# Altium PCB DRS4-PCB.PcbDoc (part 14 of 15)
Units mil, origin at the board's own origin, x right, y up, seen from the top; angles counter-clockwise.
Board outline 12350 x 7411.06 mil, 12 copper layers (Top Layer, Ground Layer 2, Signal Layer 3, Signal Layer 4, Ground Layer 5, Power Layer 6, Ground Layer 7, Ground Layer 8, Power Layer 9, Power Layer 10, Ground Layer 11, Bottom Layer), stack 61.6 mil thick; 1264 components, 1069 nets, 3958 pads, 2329 vias.
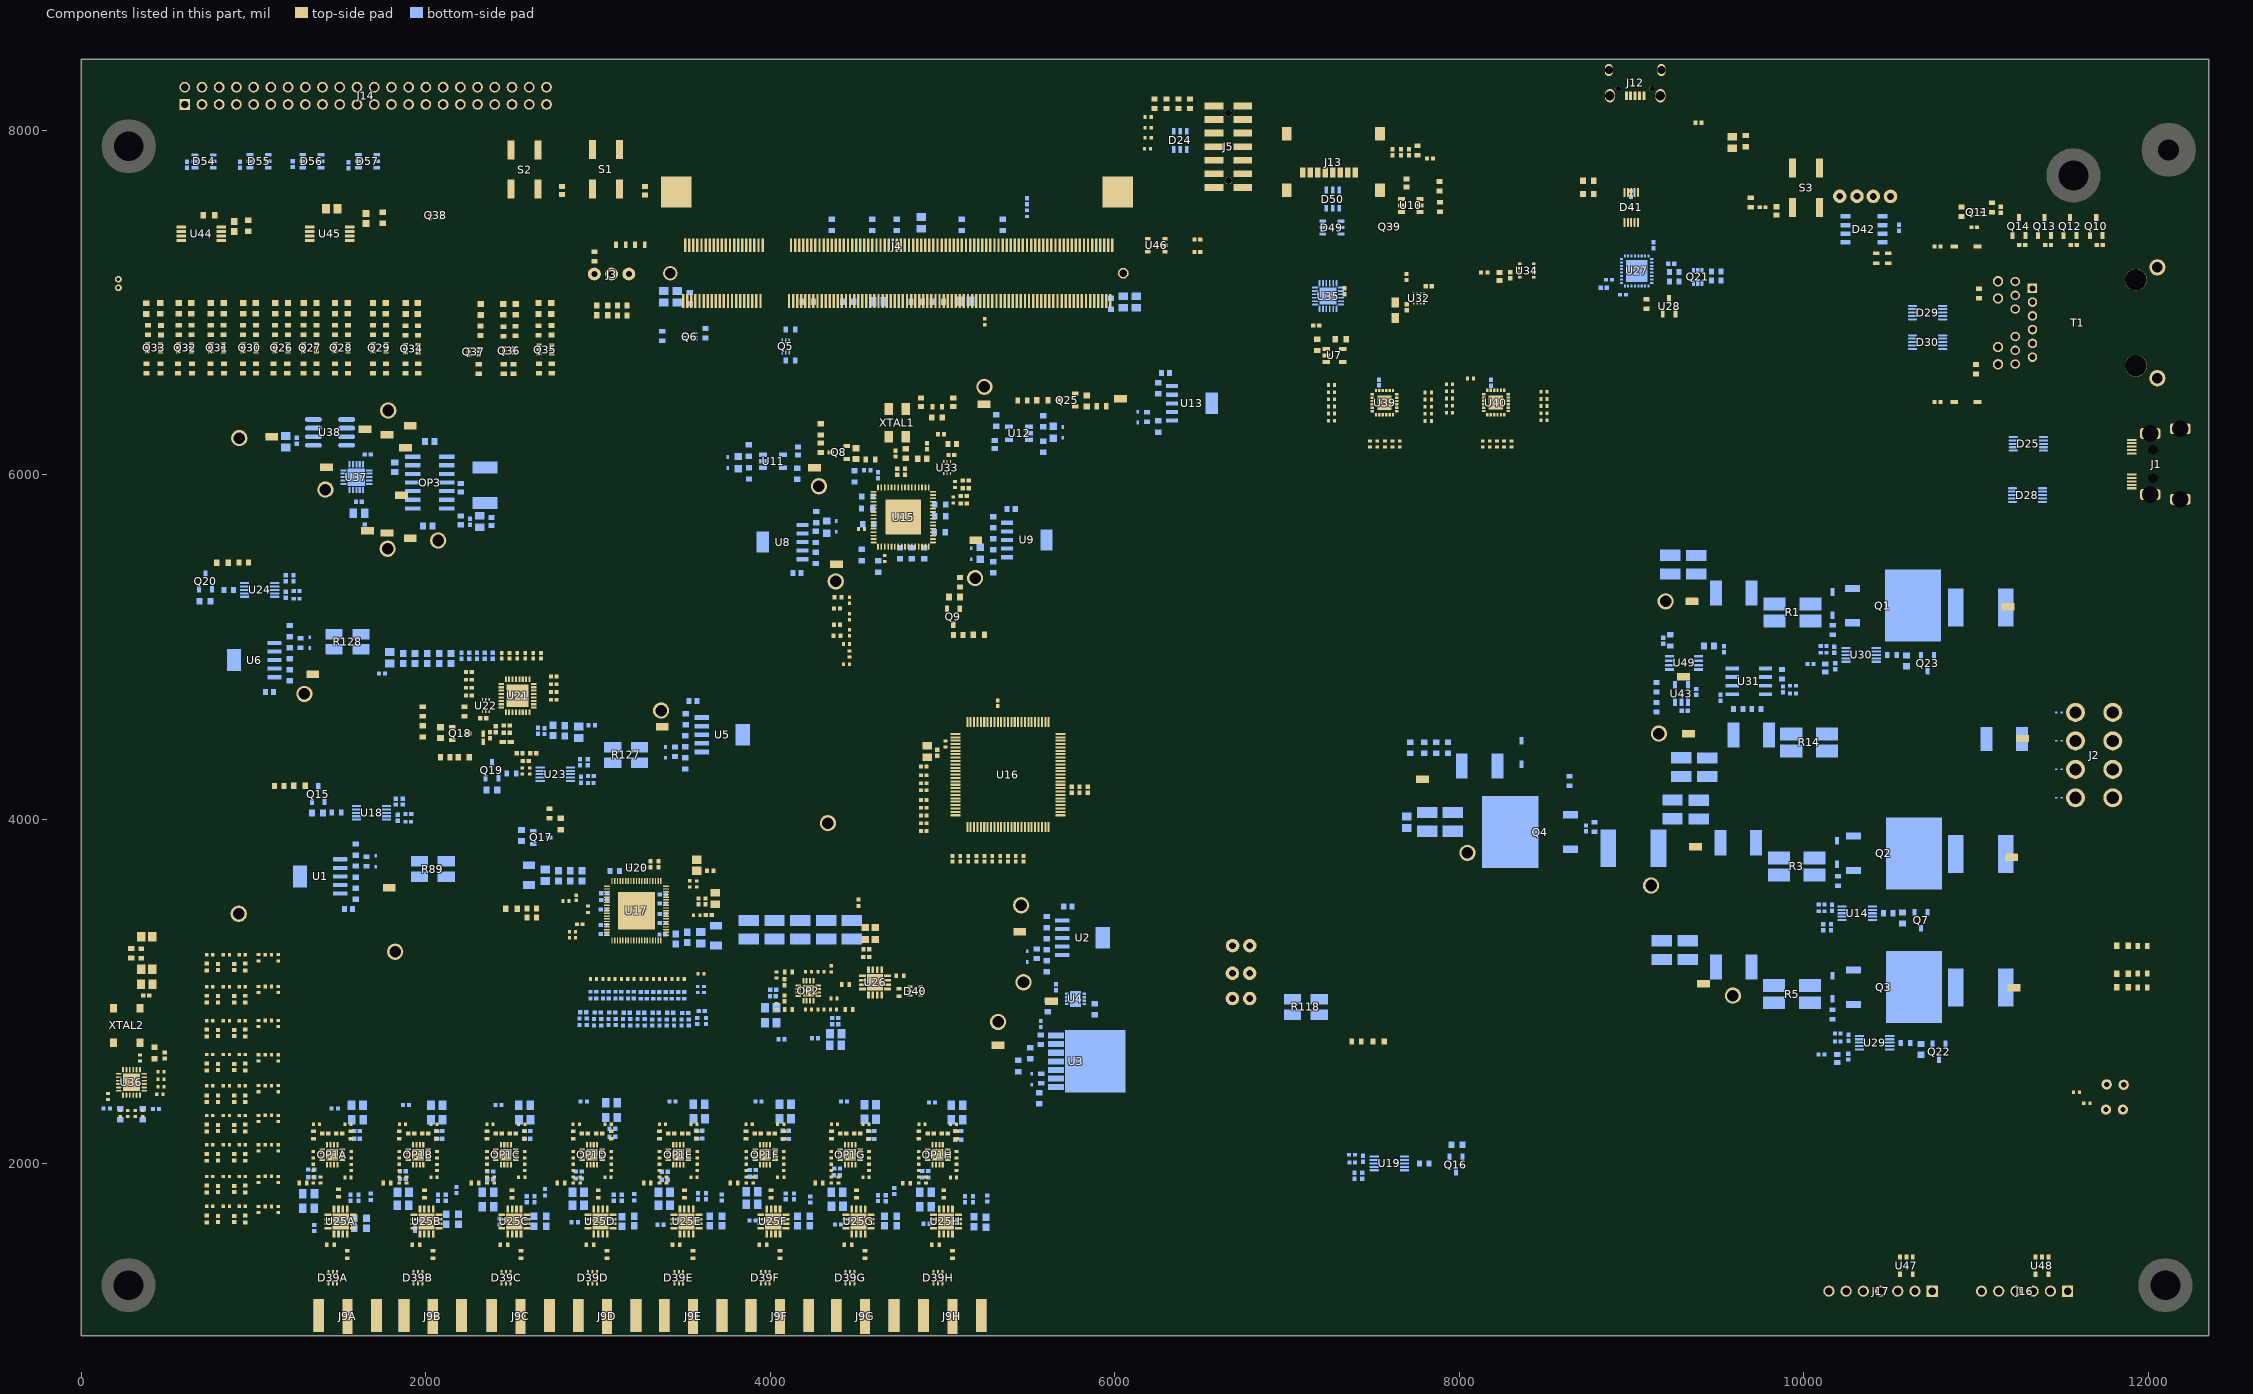
[diagram p24: the components of this part, seen from the top]

## Polygon pours and split planes (outlines as drawn) (continued)
TRB_GND on Bottom Layer "Bottom Layer-GND 103" (solid, pour order 1452): 5293.94,1656.65 5073.46,1656.65 5073.46,1576.74 5285.73,1576.51 5293.94,1585.71
NetC192B_2 on Bottom Layer "Bottom Layer-3.3V 43" (solid, pour order 1296): 2052.17,1799.03 2132.92,1799.03 2139.38,1805.49 2216.93,1805.49 2216.93,1674.06 2154.76,1674.06 2146.93,1681.89 2052.17,1681.89
TRB_GND on Bottom Layer "Bottom Layer-GND 14" (solid, pour order 1144): 4006.59,2947 4012.97,2953.38 4012.97,3041.16 3876.06,3041.16 3876.06,2786.19 4006.59,2786.19
NetC273_1 on Bottom Layer "Bottom Layer-3.3V 28" (solid, pour order 772): 197.11,2369.97 197.1,2297.08 255.88,2297.08 255.88,2363.18 241.16,2377.91 197.11,2377.91
NetC272_1 on Bottom Layer "Bottom Layer-3.3V 29" (solid, pour order 770): 324.31,2370.81 324.31,2297.92 390.29,2297.92 390.29,2356.82 368.37,2378.75 324.31,2378.75
TRB_GND on Bottom Layer "Bottom Layer-GND 42" (solid, pour order 716): 22 vertices, not listed, extent 5255.69,6082.46 5677.11,6403.19
"2V5 ADC" on Bottom Layer "Bottom Layer-ADC_DVDD" (solid, pour order 524): 2457.09,4824.19 2457.09,4782.5 2457.72,4781.87 2353.19,4781.87 2312.39,4824.19 1749.36,4824.19 1749.36,4929.7 2171.98,4929.7 2189,4946.71 2457.05,4946.71
TRB_GND on Bottom Layer "Bottom Layer-GND 84" (solid, pour order 1140): 4378.83,2648.4 4378.83,2920.04 4542.89,2920.04 4542.89,2648.4
FTDI_1V8 on Bottom Layer "Bottom Layer-FTDI_1V8" (solid, pour order 932): 8839.34,7066.13 8898.3,7066.13 8937.15,7104.97 8950.96,7104.97 8950.96,7124.52 8915.68,7124.52 8896.14,7104.97 8839.34,7104.97
TRB_GND on Bottom Layer " " (solid, pour order 2012): 5714.83,2122.81 5873.78,1963.86 7011.17,1963.86 7011.17,2509.77 6842.84,2678.1 6842.84,2787.56 6700.23,2787.56 6694.61,2787.56 5718.47,2787.56
NetC20_2 on Bottom Layer "Bottom Layer-NetC23_2" (solid, pour order 838): 5734.94,2975.96 5656.16,2975.96 5631.54,3000.58 5631.54,3022.16 5734.61,3022.31
TRB_GND on Bottom Layer "Bottom Layer-GND 25" (solid, pour order 464): 2550.62,3675.78 2550.62,3793.88 2672.49,3793.88 2679.23,3787.13 2937.09,3787.13 2947,3777.22 2947,3720.56 2947,3675.77
3.3V on Bottom Layer "Bottom Layer-3.3V 44" (solid, pour order 1858): 8237.48,6484.08 8156.4,6484.08 8156.4,6534.48 8237.09,6534.48
TRB_GND on Bottom Layer "Bottom Layer-GND 129" (solid, pour order 1850): 7551.72,6537.87 7486.93,6537.87 7486.93,6588.26 7551.33,6588.26
3.3V on Bottom Layer "Bottom Layer-3.3V 45" (solid, pour order 1848): 7599.48,6484.61 7495.53,6484.61 7495.53,6535 7599.08,6535
TRB_GND on Bottom Layer "Bottom Layer-GND 127" (solid, pour order 1828): 5514.96,2370.94 5708.11,2370.94 5708.31,2317.05 5514.96,2317.05
NetC218_1 on Bottom Layer "Bottom Layer--1V 1" (solid, pour order 1138): 4372.82,2978.3 4329.41,3021.7 4329.41,3052.72 4256.72,3052.72 4256.72,2648.55 4372.81,2648.55
VDD_MARS_3V3 on Bottom Layer "Bottom Layer-VDD_MARS_3V3 1" (solid, pour order 1762): 6121.03,6322.09 6086.74,6287.8 5984.29,6287.8 5984.29,6385.71 6105.28,6385.71 6383.43,6385.71 6383.43,6339.5 6169.17,6338.27 6152.99,6322.09
NetC54_2 on Bottom Layer "Bottom Layer-NetC369_2" (solid, pour order 430): 6383.13,6335.88 6172.4,6335.88 6155.77,6319.25 6120.94,6319.25 6120.94,6282.05 6275.35,6282.05 6383.13,6282.05
TRB_GND on Bottom Layer "Bottom Layer-GND 16" (solid, pour order 426): 18 vertices, not listed, extent 5250.14,5890.7 7056.92,6607.29
NetC57_1 on Bottom Layer "Bottom Layer-NetC371_1" (solid, pour order 422): 6376.06,6497.42 6281.87,6497.42 6281.87,6556.48 6296.83,6571.44 6296.83,6616.61 6361.69,6616.61 6361.69,6562.28 6375.57,6548.5
VCC_IO_B34 on Bottom Layer "Bottom Layer-VCC_IO_B34" (solid, pour order 418): 6271.83,6404.87 6081.28,6404.87 6081.28,6504.58 6086.13,6509.43 6198.01,6509.43 6214.94,6492.5 6376.16,6492.5 6376.16,6446.63 6376.16,6441.52 6283.74,6441.52 6271.83,6429.61
TRB_GND on Bottom Layer "Bottom Layer-GND 104" (solid, pour order 1450): 5073.72,1793.74 5205.86,1793.74 5205.86,1878.09 5088.66,1878.09 5088.66,1845.22 5073.72,1830.28
NetC192H_2 on Bottom Layer "Bottom Layer-3.3V 37" (solid, pour order 1448): 5196.51,1790.59 5235.33,1751.77 5293.7,1751.77 5293.7,1659.88 5294.09,1659.49 5073.82,1659.49 5073.82,1790.59
TRB_GND on Bottom Layer "Bottom Layer-GND 98" (solid, pour order 1418): 4583.82,2215.71 4589.5,2210.04 4589.5,2119.8 4689.3,2119.8 4689.3,2394.64 4583.82,2394.64
NetC192E_2 on Bottom Layer "Bottom Layer-3.3V 40" (solid, pour order 1368): 3643.85,1807.58 3686.04,1765.39 3749.84,1765.39 3749.84,1670.73 3561.81,1670.73 3561.81,1807.58
TRB_GND on Bottom Layer "Bottom Layer-GND 87" (solid, pour order 1124): 7626.65,4426.57 8068.52,4425.85 8068.52,4502.18 7626.65,4502.18
TRB_GND on Bottom Layer "Bottom Layer-GND 96" (solid, pour order 1082): 4642.59,5949.94 4642.59,5988.15 4636.46,5994.28 4565.08,5994.28 4564.54,5993.74 4564.54,5949.94
CLK_VDDA_3V3 on Bottom Layer "Bottom Layer-CLK_VDDA_3V3" (solid, pour order 692): 4043.94,6017.36 4166.91,6017.36 4186.81,5997.2 4556.71,5997.2 4556.71,6065.56 4139.08,6065.56 4043.94,6065.56
VCC_IO_B34 on Bottom Layer "Bottom Layer-GND 75" (solid, pour order 1022): 4466.78,6968.16 4466.78,7038.18 4622.98,7038.18 4622.98,6968.16
TRB_GND on Bottom Layer "Bottom Layer-GND 1" (solid, pour order 934): 8835.53,7099.92 8835.53,7068.26 8766.32,7068.1 8766.32,7105.56 8835.7,7105.56
3.3V on Bottom Layer "Bottom Layer-3.3V 34" (solid, pour order 930): 7533.75,1969.91 7368.57,1969.91 7368.2,1970.28 7325.74,1970.28 7288.9,1970.28 7288.9,1930.31 7325.73,1930.31 7364.19,1930.31 7364.57,1929.93 7368.57,1933.92 7461.94,1933.92 7473.67,1945.65 7533.75,1945.65
TRB_GND on Bottom Layer "Bottom Layer-GND 73" (solid, pour order 926): 2875.06,4331.15 2963.11,4331.02 2968.63,4336.55 2987.88,4336.55 2987.88,4370.32 2875.06,4370.53
TRB_GND on Bottom Layer "Bottom Layer-GND 74" (solid, pour order 922): 1569.8,4026.11 1655.44,4026.11 1659.38,4022.17 1659.38,3988.93 1655.72,3985.27 1568.95,3985.27
TRB_GND on Bottom Layer "Bottom Layer-GND 73" (solid, pour order 920): 1798.52,4106.73 1890.25,4106.6 1895.77,4112.12 1989.42,4112.12 1989.42,4145.74 1802.2,4146.11 1798.52,4142.43
TRB_GND on Bottom Layer "Bottom Layer-GND 73" (solid, pour order 914): 1165.29,5401.92 1257.02,5401.8 1262.55,5407.32 1329.21,5407.32 1329.21,5440.99 1168.97,5441.31 1165.29,5437.63
3.3V on Bottom Layer "Bottom Layer-3.3V 34" (solid, pour order 912): 1094.64,5362.11 1259.82,5362.11 1260.19,5361.74 1329.53,5361.74 1329.54,5401.72 1264.2,5401.72 1263.82,5402.1 1259.82,5398.1 1166.45,5398.1 1154.72,5386.37 1094.64,5386.37
TRB_GND on Bottom Layer "Bottom Layer-GND 69" (solid, pour order 844): 5866.95,2891.13 5968.08,2891.13 5968.25,2808.99 5820.4,2808.99 5820.4,2891.13
TRB_GND on Bottom Layer "Bottom Layer-GND 70" (solid, pour order 840): 5640.73,3084.45 5741.95,3084.45 5741.96,3026.84 5640.73,3026.84
TRB_GND on Bottom Layer "Bottom Layer-GND 71" (solid, pour order 836): 5578.04,2907.89 5679.17,2907.89 5679.37,2812.15 5545.08,2812.15 5519.97,2837.26 5519.97,2907.89
NetR10_1 on Bottom Layer "Bottom Layer-NetR10_1" (solid, pour order 828): 5709.53,2724.81 5559.07,2724.81 5541.61,2742.27 5541.61,2806.95 5540.74,2807.81 5592.84,2807.81 5593.42,2808.39 5602.58,2808.39 5617.46,2793.51 5705.15,2793.51 5709.53,2789.13
TRB_GND on Bottom Layer "Bottom Layer-GND 72" (solid, pour order 826): 5374.9,2633.23 5374.9,2575.96 5742.14,2575.96 5742.75,2575.35 5742.75,2616.78 5742.14,2617.39 5567.27,2617.39 5551.43,2633.23
NetC17_2 on Bottom Layer "Bottom Layer-NetC20_2" (solid, pour order 824): 5494.4,2486.19 5585.39,2486.19 5604.79,2466.79 5708.1,2466.79 5708.1,2422.48 5708.1,2376.22 5515.67,2376.22 5494.4,2397.49
3.3V on Bottom Layer "Bottom Layer-3.3V 25" (solid, pour order 798): 906.14,7801.75 1007.87,7801.75 1007.87,7831.09 938.32,7831.09 935.54,7833.87 906.17,7833.87
3.3V on Bottom Layer "Bottom Layer-3.3V 26" (solid, pour order 792): 599.09,7801.65 689.18,7801.65 689.18,7829.44 688.32,7830.3 633.94,7830.3 628.38,7835.86 599.11,7835.86
TRB_GND on Bottom Layer "Bottom Layer-GND 39" (solid, pour order 748): 18 vertices, not listed, extent 106.68,6110.43 2018.01,6492.47
TRB_GND on Bottom Layer "Bottom Layer-GND 40" (solid, pour order 746): 1226.25,6132.14 1256.05,6161.95 1266.84,6161.95 1266.84,6194.95 1236.98,6194.95 1224.03,6182 1151.2,6182 1151.2,6132.14
NetC321_1 on Bottom Layer "Bottom Layer-3.3V 17" (solid, pour order 738): 1607.31,5923.17 1607.31,5865.33 1615.43,5857.2 1615.43,5695.86 1702.64,5695.86 1702.8,5854.74 1656.04,5901.5 1656.04,5931.78 1607.31,5931.78
NetC48_1 on Bottom Layer "Bottom Layer-NetC54_1" (solid, pour order 700): 5254.8,6223.06 5279.39,6247.65 5414.27,6247.65 5414.27,6181.9 5416.69,6179.47 5254.8,6179.47
CLK_VDDS_3V3 on Bottom Layer "Bottom Layer-CLK_VDDS_3V3" (solid, pour order 698): 5147.56,6431.64 5239.14,6431.31 5252.24,6418.21 5251.06,6328.14 5271.11,6308.1 5415.46,6308.1 5415.46,6254.99 5044.92,6254.99 5044.92,6431.64
TRB_GND on Bottom Layer "Bottom Layer-GND 43" (solid, pour order 696): 22 vertices, not listed, extent 3714.44,5928.07 4210.06,6217.61
NetC46_1 on Bottom Layer "Bottom Layer-NetC52_1" (solid, pour order 694): 4042.73,6141.92 4202.13,6141.92 4202.13,6069.14 4203.04,6068.23 4124.78,6068.23 4103.77,6089.23 4042.73,6089.23
NetC45_2 on Bottom Layer "Bottom Layer-NetC51_2" (solid, pour order 690): 3714.34,6081.27 3895.2,6081.27 3911.46,6097.53 3985.72,6097.53 3985.89,6140.13 3714.34,6140.4
4V on Bottom Layer "Bottom Layer-3.3V 19" (solid, pour order 686): 3614.33,6075.09 3880.6,6075.09 3896.96,6058.74 3996.45,6058.74 3997,6059.29 3997,6007.25 3614.33,6007.25
NetC38_2 on Bottom Layer "Bottom Layer-NetC44_2" (solid, pour order 674): 5137.04,5532.13 5327.14,5532.12 5338.89,5543.87 5439.85,5543.87 5439.85,5460.68 5137.04,5462.04
NetC37_1 on Bottom Layer "Bottom Layer-NetC43_1" (solid, pour order 672): 5337.33,5701.23 5418.17,5701.23 5418.36,5750.46 5396.99,5771.83 5396.99,5826.16 5327.17,5826.16 5327.17,5712.47
CLK_VDDO_2V5 on Bottom Layer "Bottom Layer-CLK_VDDO_2V5 4" (solid, pour order 670): 5467.11,5697.64 5335.73,5697.64 5306.18,5727.19 5100.3,5727.19 5100.3,5632.23 5244.25,5632.02 5264.38,5652.15 5467.11,5652.15
NetC33_2 on Bottom Layer "Bottom Layer-NetC39_2" (solid, pour order 640): 4144.53,5693.45 4425,5693.45 4425.12,5756.39 4144.53,5756.39
3.3V on Bottom Layer "Bottom Layer-3.3V 22" (solid, pour order 638): 4144.3,5643.66 4300.5,5643.66 4352.76,5591.4 4475.9,5591.4 4475.9,5690.16 4144.3,5690.16
TRB_GND on Bottom Layer "Bottom Layer-GND 46" (solid, pour order 636): 3468.17,5470.67 3380.23,5558.6 3376.1,5558.6 3376.1,5827.88 4138.88,5827.89 4138.88,5643 4142.11,5639.76 4293.92,5639.76 4294.36,5640.2 4294.36,5584.63 4138.88,5584.63 4138.88,5470.67
NetC34_1 on Bottom Layer "Bottom Layer-NetC40_1" (solid, pour order 632): 4144.23,5532.77 4219.54,5532.77 4232.52,5519.79 4232.52,5405.78 4156.74,5405.78 4156.74,5468.35 4144.23,5480.86
CLK_VDD_1V8 on Bottom Layer "Bottom Layer-CLK_VDD_1V8 3" (solid, pour order 630): 4144.59,5580.49 4440.43,5580.49 4447.59,5573.92 4447.59,5514.26 4443.21,5509.88 4249.85,5509.88 4220.39,5539.34 4144.59,5539.34
TRB_GND on Bottom Layer "Bottom Layer-GND 47" (solid, pour order 626): 4999.65,5735.54 5103.93,5735.54 5109.8,5741.41 5109.8,5848.44 5103.91,5854.34 4999.65,5854.34
TRB_GND on Bottom Layer "Bottom Layer-GND 48" (solid, pour order 624): 4994.51,5638.48 4994.51,5690.98 5052.54,5691.15 5060.14,5683.55 5060.14,5643.97 5051.22,5638.48
TRB_GND on Bottom Layer "Bottom Layer-GND 49" (solid, pour order 622): 4551.58,5899.89 4551.58,5844.34 4486.78,5844.15 4479.24,5851.7 4479.24,5890.26 4494.87,5899.89
TRB_GND on Bottom Layer "Bottom Layer-GND 50" (solid, pour order 620): 4549.89,5830 4549.89,5774.46 4485.09,5774.27 4477.55,5781.82 4477.55,5820.38 4493.18,5830
TRB_GND on Bottom Layer "Bottom Layer-GND 51" (solid, pour order 618): 4553,5735 4480.58,5735 4480.63,5693 4553,5693
TRB_GND on Bottom Layer "Bottom Layer-GND 52" (solid, pour order 616): 4478.33,5522.31 4556.71,5522.31 4556.85,5473.71 4485.34,5473.71 4478.33,5485.1
TRB_GND on Bottom Layer "Bottom Layer-GND 54" (solid, pour order 612): 4795.12,5529.7 4847.63,5529.7 4847.8,5471.67 4840.2,5464.06 4800.62,5464.06 4795.13,5472.99
TRB_GND on Bottom Layer "Bottom Layer-GND 55" (solid, pour order 610): 4726.02,5532.07 4778.52,5532.07 4778.7,5470.92 4772.78,5464.99 4732.4,5464.99 4726.02,5475.36
TRB_GND on Bottom Layer "Bottom Layer-GND 56" (solid, pour order 608): 4647.38,5459.88 4647.38,5407.38 4581.91,5407.19 4574.63,5414.47 4574.63,5454.53 4583.32,5459.88
CLK_VDDO_2V5 on Bottom Layer "Bottom Layer-CLK_VDDO_2V5 5" (solid, pour order 606): 4601.31,5491.53 4651.06,5491.53 4651.52,5491.99 4651.52,5532.04 4641.54,5542.02 4641.54,5558.91 4601.31,5558.91
CLK_VDDO_2V5 on Bottom Layer "Bottom Layer-CLK_VDDO_2V5" (solid, pour order 588): 4574.74,5734 4619.99,5734 4627.48,5741.49 4630.39,5741.31 4657.41,5741.31 4657.41,5692 4574.74,5692
CLK_VDD_1V8 on Bottom Layer "Bottom Layer-CLK_VDD_1V8" (solid, pour order 586): 4560,5590.93 4577,5603.1 4673,5603.1 4673,5643 4577,5643 4498.94,5590.93 4498.94,5545.92 4560,5545.92
CLK_VDD_1V8 on Bottom Layer "Bottom Layer-CLK_VDD_1V8 1" (solid, pour order 584): 4980.83,5799.79 4980.83,5853.47 4890.81,5853.47 4890.81,5799.79
CLK_VDDO_2V5 on Bottom Layer "Bottom Layer-CLK_VDDO_2V5 1" (solid, pour order 582): 4980.83,5733.05 4980.83,5784.04 4890.81,5784.04 4890.81,5733.05
CLK_VDDO_2V5 on Bottom Layer "Bottom Layer-CLK_VDDO_2V5 2" (solid, pour order 580): 4978.23,5640.26 4978.23,5691.25 4888.21,5691.25 4888.21,5640.26
CLK_VDD_1V8 on Bottom Layer "Bottom Layer-CLK_VDD_1V8 2" (solid, pour order 578): 4863.98,5548.26 4918.92,5548.26 4918.92,5638.28 4863.98,5638.28
CLK_VDDO_2V5 on Bottom Layer "Bottom Layer-CLK_VDDO_2V5 3" (solid, pour order 576): 4796.69,5548.26 4847.68,5548.26 4847.68,5638.28 4796.69,5638.28
CLK_VDDO_2V5 on Bottom Layer "Bottom Layer-CLK_VDDO_3V3 1" (solid, pour order 574): 4727.78,5548.35 4778.77,5548.35 4778.77,5638.37 4727.78,5638.37
NetC10_2 on Bottom Layer "Bottom Layer-NetC13_2" (solid, pour order 562): 1453.5,3750.85 1754.5,3750.85 1754.5,3814.62 1453.5,3814.04
3.3V on Bottom Layer "Bottom Layer-3.3V 13" (solid, pour order 560): 1453.52,3741.45 1453.52,3747.61 1750.9,3747.61 1754.47,3747.61 1754.47,3679.6 1639,3679.6 1620.96,3697.64 1457.31,3697.64 1453.52,3701.44
TRB_GND on Bottom Layer "Bottom Layer-GND 29" (solid, pour order 550): 18 vertices, not listed, extent 1186.53,5095.33 1249.35,5165.35
NetC26_1 on Bottom Layer "Bottom Layer-NetC32_1" (solid, pour order 530): 1060.85,4841.26 1171.54,4841.26 1171.54,4789.14 1144.19,4761.78 1144.19,4716.59 1094.48,4716.59 1093.42,4715.53 1093.42,4761.79 1060.85,4794.36
TRB_GND on Bottom Layer "Bottom Layer-GND 35" (solid, pour order 518): 18 vertices, not listed, extent 3467.57,4250.47 3530.39,4320.5
NetC24_2 on Bottom Layer "Bottom Layer-NetC30_2" (solid, pour order 516): 3342.17,4396.91 3539.51,4396.91 3549.67,4407.07 3649.36,4407.07 3649.36,4364.41 3649.17,4324.11 3342.17,4324.11
3.3V on Bottom Layer "Bottom Layer-3.3V 15" (solid, pour order 514): 3341.69,4404.49 3341.07,4403.87 3537.59,4403.87 3546.54,4412.82 3649.39,4412.82 3649.6,4462.98 3550.29,4462.99 3537.38,4450.08 3473.4,4450.08 3454.07,4469.41 3341.69,4469.41
TRB_GND on Bottom Layer "Bottom Layer-GND 36" (solid, pour order 510): 3492.3,4588.85 3544.92,4588.85 3544.92,4710.34 3469.1,4710.34 3456.12,4688.88 3456.12,4589.11 3488.34,4588.85
NetC22_1 on Bottom Layer "Bottom Layer-NetC28_1" (solid, pour order 506): 3550.49,4569.7 3648.49,4569.7 3648.73,4620.14 3620.39,4648.97 3620.39,4711.42 3551.21,4711.42 3550.49,4711.42
NetC13_1 on Bottom Layer "Bottom Layer-NetC371_1" (solid, pour order 456): 5739.31,3394.69 5645.12,3394.69 5645.12,3453.74 5660.08,3468.7 5660.08,3529.27 5724.94,3529.27 5724.94,3459.55 5738.82,3445.77
NetC12_2 on Bottom Layer "Bottom Layer-NetC15_2" (solid, pour order 452): 5472.82,3192.27 5512.77,3192.27 5525.17,3204.67 5631.67,3204.67 5658.44,3231.44 5748.89,3231.44 5748.89,3151.22 5748.5,3150.83 5472.82,3150.83
TRB_GND on Bottom Layer "Bottom Layer-GND 15" (solid, pour order 428): 18 vertices, not listed, extent 6209.31,6208.23 6276.14,6270.73
TRB_GND on Bottom Layer "Bottom Layer-GND 19" (solid, pour order 406): 10194.19,4886.71 10168.21,4886.71 10155.88,4874.39 10104.09,4874.39 10104.09,4835.33 10137.6,4835.33 10144.49,4835.33 10160.14,4850.98 10199.68,4850.98 10199.68,4886.71
NetC252_2 on Bottom Layer "Bottom Layer-3.3V 5" (solid, pour order 404): 10274.11,4922.15 10136.71,4922.15 10106.89,4922.15 10104.33,4922.15 10104.33,4886.02 10159.45,4886.02 10164.37,4890.94 10274.11,4890.94
NetQ23_1 on Bottom Layer "Bottom Layer-NetQ21_1" (solid, pour order 394): 10695.55,4970.28 10630.32,4970.28 10620.18,4980.41 10521.65,4980.41 10520.87,4980.41 10520.87,4927.26 10520.87,4925.69 10621.36,4925.69 10626.86,4931.19 10695.55,4931.19
TRB_GND on Bottom Layer "Bottom Layer-GND 21" (solid, pour order 390): 10172.54,3370.77 10096.56,3370.77 10096.26,3367.42 10095.99,3341.01 10097.05,3339.96 10131.2,3339.96 10172.93,3339.96
3.3V on Bottom Layer "Bottom Layer-3.3V 1" (solid, pour order 368): 10136.76,3404.16 10094.19,3404.16 10094.19,3375.99 10132.11,3375.99 10170.61,3375.99 10198.28,3403.66 10251.78,3403.66 10251.28,3404.16 10251.28,3423.66 10156.27,3423.66
TRB_GND on Bottom Layer "Bottom Layer-3.3V 2" (solid, pour order 364): 10381.9,3503.64 10386.77,3508.51 10386.77,3528.14 10407.77,3528.14 10407.77,3507.14 10411.26,3503.64 10434.27,3503.64 10434.77,3504.14 10455.77,3504.14 10455.77,3482.64 10435.27,3482.64 10432.77,3485.14 10368.77,3485.14 10368.77,3503.64
NetQ7_1 on Bottom Layer "Bottom Layer-NetQ3_1" (solid, pour order 360): 10665.16,3472.05 10609.74,3472.05 10599.11,3482.68 10500.1,3482.68 10499.51,3483.27 10499.51,3432.09 10499.51,3426.48 10538.39,3426.48 10548.23,3436.32 10665.16,3436.32
TRB_GND on Bottom Layer "Bottom Layer-GND 11" (solid, pour order 352): 10275.5,2582.12 10242.71,2582.12 10229.29,2569 10217,2569 10180,2569 10172.5,2569 10172.5,2575.5 10172.49,2601.49 10172.52,2608.5 10229.75,2608.5 10241.64,2620.39 10275.5,2620.39
NetC250_2 on Bottom Layer "Bottom Layer-3.3V 1" (solid, pour order 350): 10172,2653 10277.5,2653 10297,2672.5 10352.5,2672.5 10352.5,2628 10236.5,2628 10225,2616.5 10172,2616.5 10172,2621.5 10172,2648
NetQ22_1 on Bottom Layer "Bottom Layer-NetQ20_1" (solid, pour order 334): 10770,2669.5 10639.26,2669.5 10631.76,2677 10598,2677 10598,2723.29 10650.21,2723.29 10652,2721.5 10656,2721.5 10770,2721.5
CLK_VDD_1V8 on Power Layer 9 "Power Layer 8-CLK_VDD_1V8" (solid, pour order 44): 4235,5884.11 5016.8,5884.11 5016.81,5475.86 4235,5475.86
VCC_3V3 on Power Layer 9 "Power Layer 8-VCC_3V3" (solid, pour order 26): 19 vertices, not listed, extent 174.68,3608.03 9914.89,8263.52
4V on Power Layer 9 "4V_L09_P2632" (solid, pour order 2632): 22 vertices, not listed, extent 3595,3695 5846,6291
VCC_IO_B34 on Power Layer 9 "Power Layer 8-VCC_IO_B34" (solid, pour order 28): 20 vertices, not listed, extent 4060,6393.02 6285,7425
VDD_MARS_3V3 on Power Layer 9 "Power Layer 8-VDD_MARS_3V3 1" (solid, pour order 1764): 5890,5862 5889.96,6282.66 5890,6368.63 6303.8,6368.63 6458.22,6214.21 8118.34,6214.21 8118.34,3844.41 5889.96,3844.41
+4V_IN on Power Layer 9 "Power Layer 9-+4V_IN" (solid, pour order 2532): 11234.3,5021.46 11271.62,4984.14 11271.62,4603.92 11317.82,4557.72 11724.45,4557.72 11724.65,5257.26 11476.39,5505.51 10994.09,5505.51 10994.09,5021.46
DRS4_2V5_MIC on Power Layer 9 " " (solid, pour order 2482): 6730.69,3028.31 6730.69,2572.16 6517.12,2358.59 5224.45,2358.59 5219.92,2363.12 5219.92,2585.71 6472.16,2585.71 6586.47,2700.02 6586.47,3028.31
+3V3_IN on Power Layer 9 "Power Layer 9-No Net 1" (solid, pour order 2530): 11376.67,4184.39 11723.52,4184.4 11723.52,2979.84 11485.86,2742.17 10984.25,2742.17 10984.25,3318.52 11236.28,3318.52 11306.78,3389.01 11306.78,4119.39
+3V3_SPM15 on Power Layer 9 "Power Layer 9-No Net 3" (solid, pour order 2528): 11723.21,4376.29 11246.37,4376.29 10956.99,4086.91 10956.99,3543 11283.18,3543.01 11283.18,4133.9 11348.54,4199.26 11723.21,4199.26
DRS4_2V5_TPS on Power Layer 9 " " (solid, pour order 2486): 6729.38,3376.31 6729.38,3205.57 5583.44,3205.57 5506.1,3128.23 5280.85,3128.23 5280.85,3376.31
DRS4_2V5_ADM on Power Layer 9 " " (solid, pour order 2484): 6728.87,3191.15 6728.87,3044.45 6536.44,3044.43 6355.6,2863.59 5973.48,2863.59 5973.48,3190.3 5972.64,3191.15
-1V_IN on Power Layer 9 "Power Layer 9-No Net 4" (solid, pour order 2160): 11310.03,4540.72 11209.59,4641.16 11035.29,4641.16 11035.29,4540.72 11035.29,4303.54 11141.04,4303.54 11231.85,4394.35 11722.59,4394.36 11722.59,4540.72
CLK_VDDO_2V5 on Top Layer "Top Layer-CLK_VDDO_2V5 2" (solid, pour order 2651): 4580.58,5673.16 4627.1,5673.16 4633.48,5679.54 4654.98,5679.54 4655.03,5652.09 4629.56,5651.97 4624.02,5657.52 4580.58,5657.52